# Altium PCB dc_motor_ina219_pcb.PcbDoc
Units mil, origin at the board's own origin, x right, y up, seen from the top; angles counter-clockwise.
Board outline 4330.71 x 2559.06 mil, 2 copper layers (Top Layer, Bottom Layer); 237 components, 137 nets, 748 pads, 0 vias.
Unrouted connection lines stored in the file: 575.
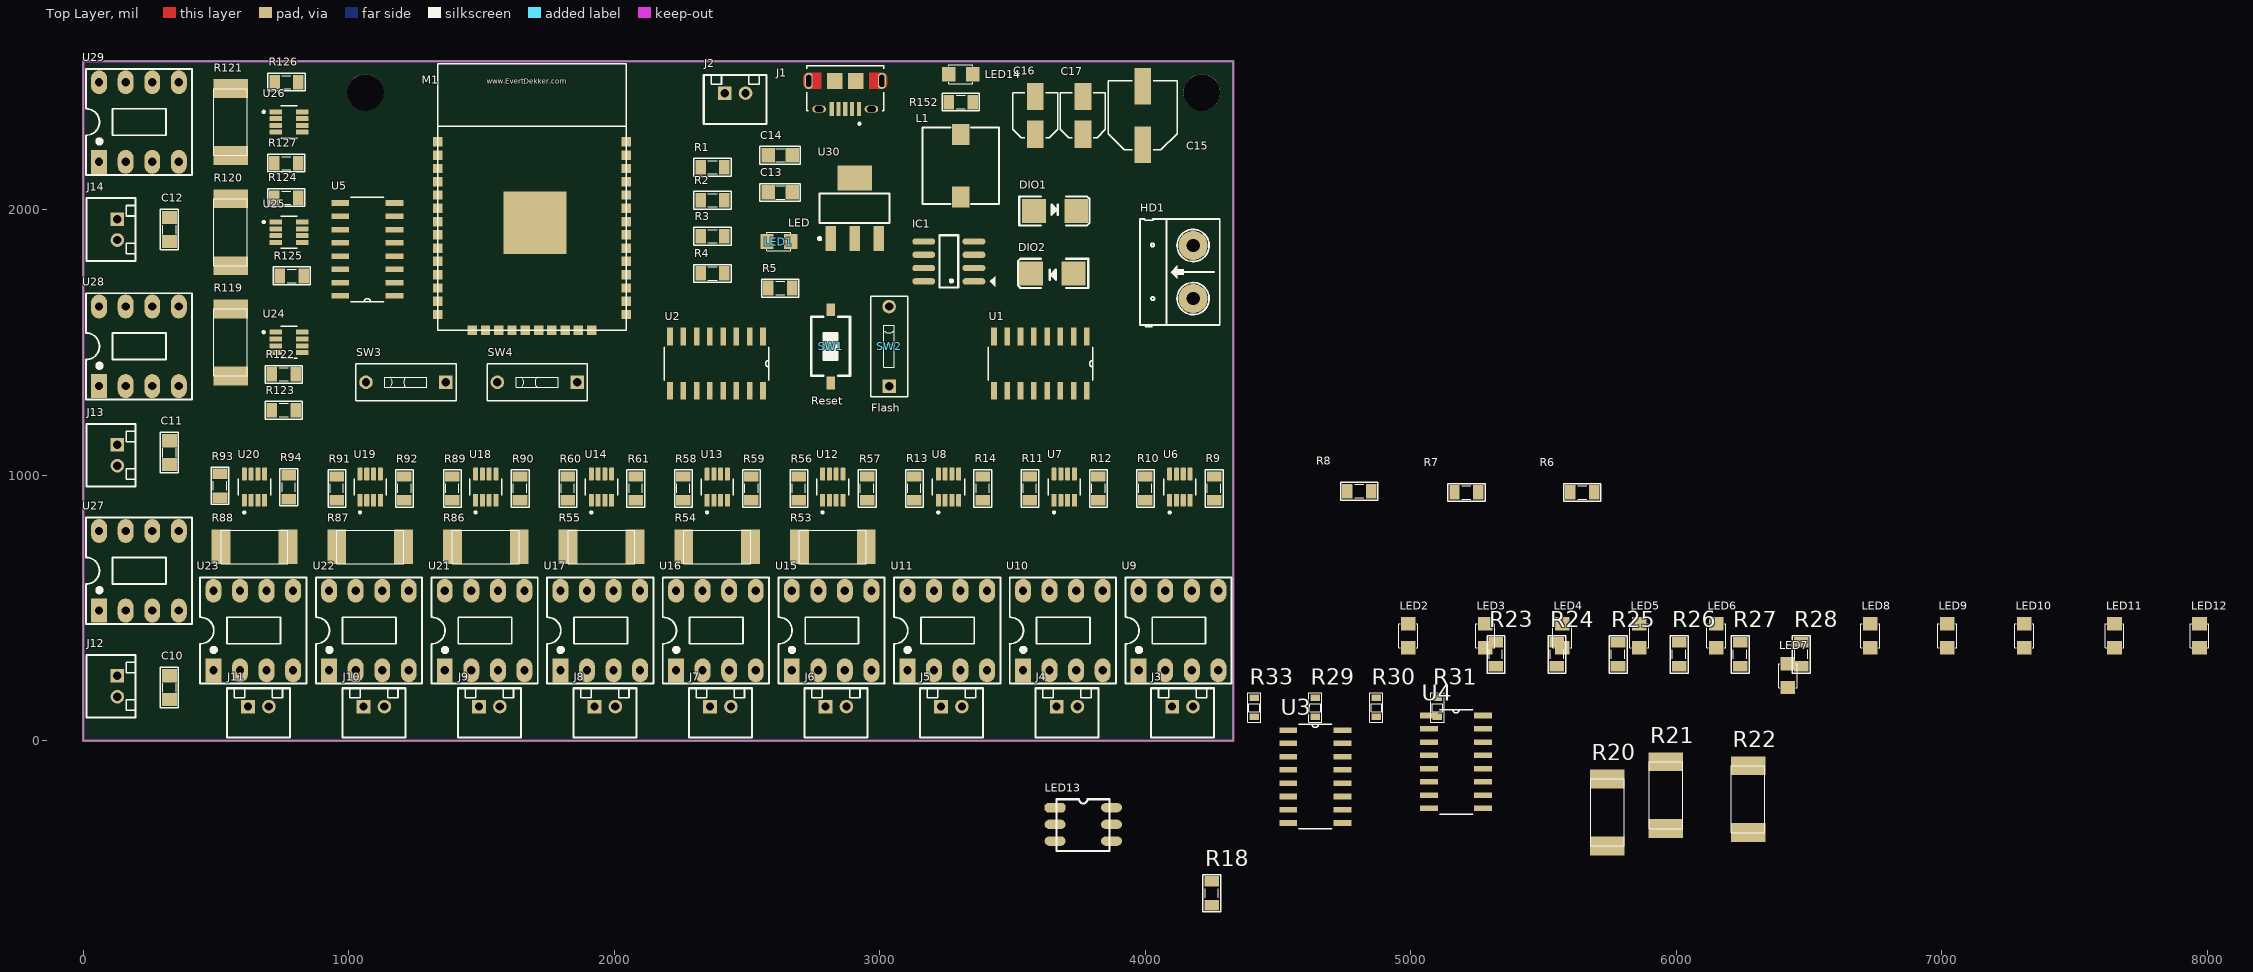
[diagram p0: Top Layer view]
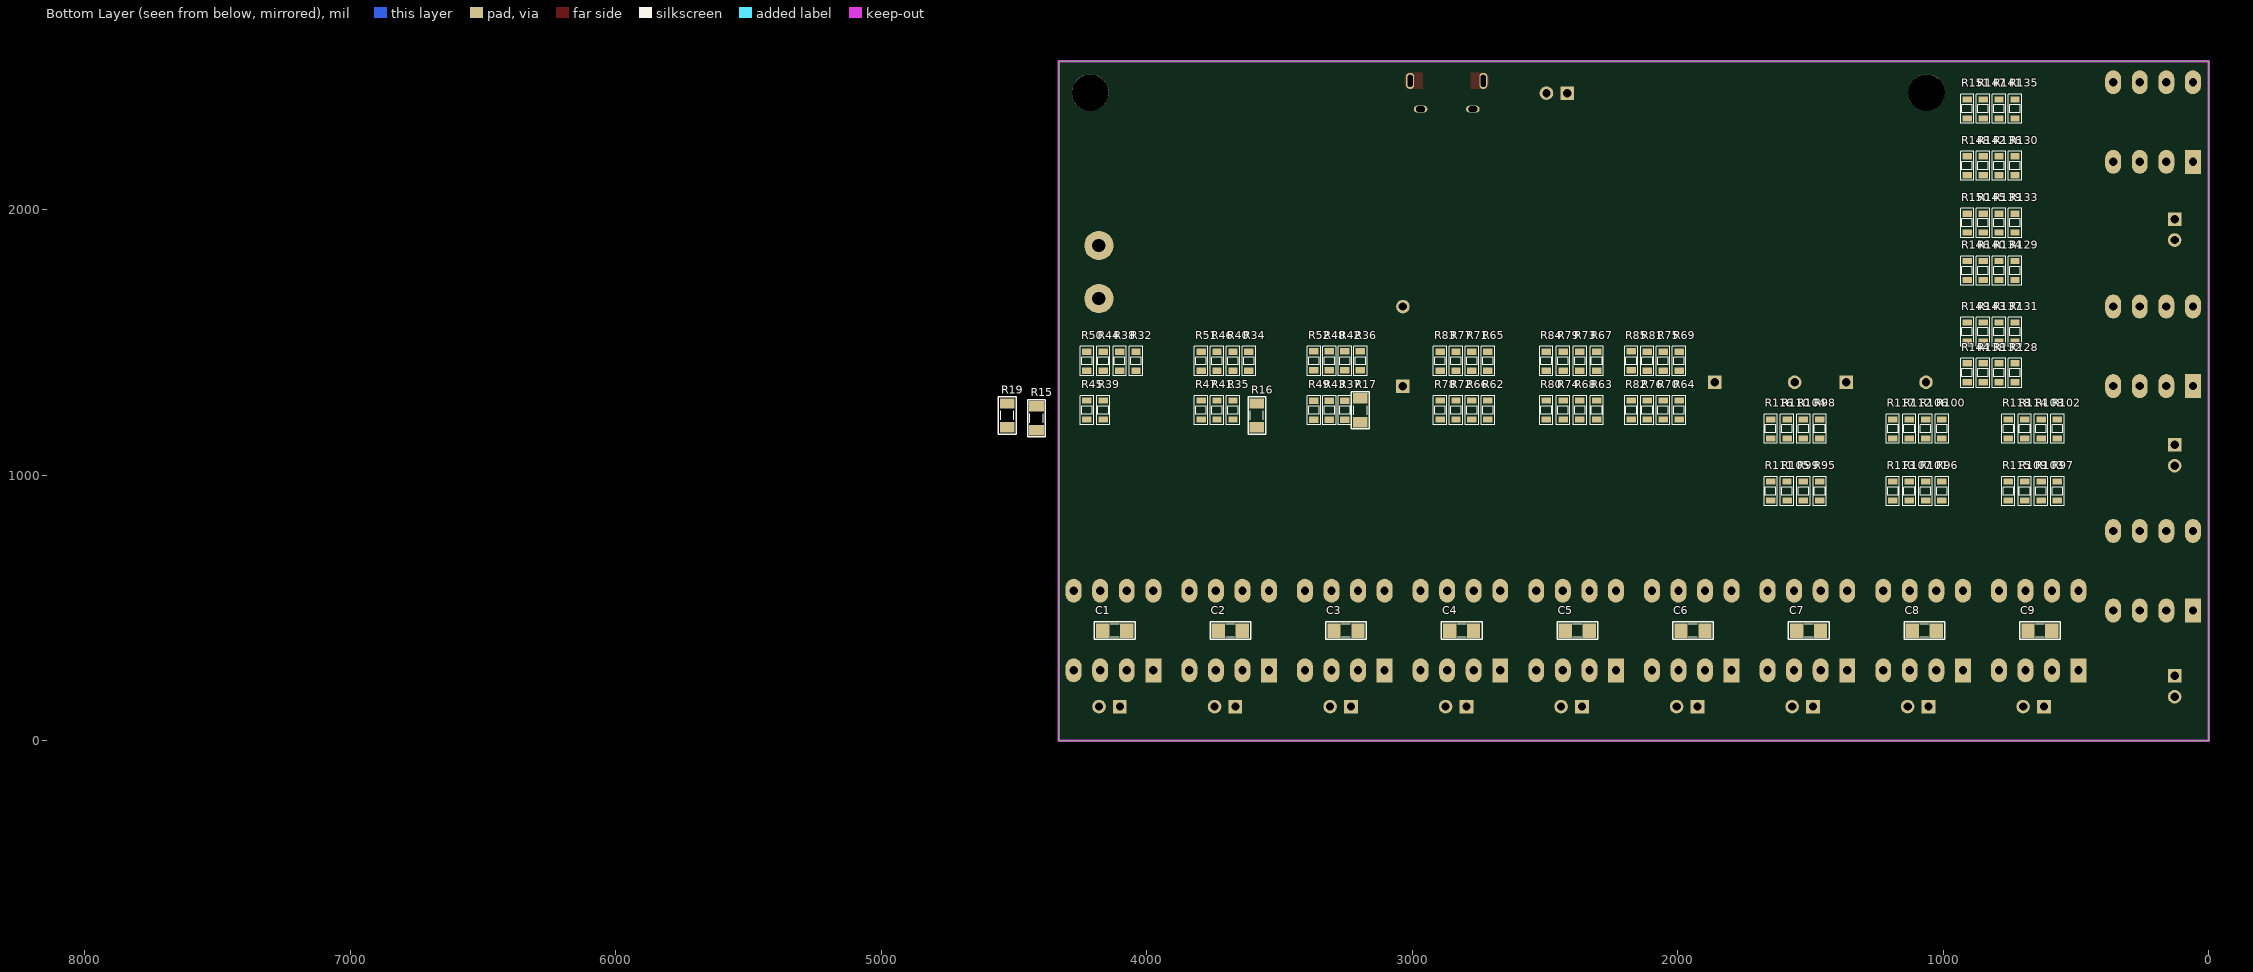
[diagram p1: Bottom Layer view, seen from below]

## Layer stack, top to bottom
Top Solder: solder mask 0.4, Solder Resist, Dk 3.5
Top Layer: signal copper 1.4
Dielectric 1: dielectric 12.6, FR-4, Dk 4.8
Bottom Layer: signal copper 1.4
Bottom Solder: solder mask 0.4, Solder Resist, Dk 3.5

## Board outline
0,0 0,2559.06 4330.71,2559.06 4330.71,0

## Design rules (kind name [scope] priority, off if disabled: settings)
Clearance [All] p1: gap=6
PolygonConnect [All] p1: connectstyle=Relief reliefconductorwidth=10 reliefentries=4 polygonreliefangle="90 Angle" airgapwidth=10
RoomDefinition power [InComponentClass('power')] p1: confinementstyle=ConfineIn formatcopy=TRUE lockcomponents=FALSE outline 4570,1700 7725,1700 7725,2190 4570,2190
RoomDefinition ina219 [InComponentClass('ina219')] p2: confinementstyle=ConfineIn formatcopy=TRUE lockcomponents=FALSE outline 4570,1130 54280,1130 54280,1650 4570,1650
RoomDefinition esp32 [InComponentClass('esp32')] p3: confinementstyle=ConfineIn formatcopy=TRUE lockcomponents=FALSE outline 4570,-65 21910,-65 21910,1080 4570,1080
RoutingVias [All] p1: holewidth=11.81 width=19.68 viastyle="Through Hole" minholewidth=15 minwidth=25 maxholewidth=28 maxwidth=50
SolderMaskExpansion [All] p1: expansion=4
Width [All] p1: maxlimit=100 minlimit=8 preferedwidth=8
30 further rules are at their usual default settings.

## Classes and differential pairs
component class power: C13 C14 C15 C16 C17 DIO1 DIO2 HD1 IC1 L1 LED14 R152 U30
component class ina219: C1 C2 C3 C4 C5 C6 C7 C8 C9 C10 C11 C12 J3 J4 J5 J6 J7 J8 J9 J10 J11 J12 J13 J14 R15 R16 R17 R19 R20 R21 R22 R23 R24 R25 R26 R27 R28 R32 R34 R35 R36 R37 R38 R39 R40 R41 R42 R43 R44 R45 R46 R47 R48 R49 R50 R51 R52 R53 R54 R55 R56 R57 R58 R59 R60 R61 R62 R63 R64 R65 R66 R67 R68 R69 R70 R71 R72 R73 R74 R75 R76 R77 R78 R79 R80 R81 R82 R83 R84 R85 R86 R87 R88 R89 R90 R91 R92 R93 R94 R95 R96 R97 R98 R99 R100 R101 R102 R103 R104 R105 R106 R107 R108 R109 R110 R111 R112 R113 R114 R115 R116 R117 R118 R119 R120 R121 R122 R123 R124 R125 R126 R127 R128 R129 R130 R131 R132 R133 R134 R135 R136 R137 R138 R139 R140 R141 R142 R143 R144 R145 R146 R147 R148 R149 R150 R151 U6 U7 U8 U9 U10 U11 U12 U13 U14 U15 U16 U17 U18 U19 U20 U21 U22 U23 U24 U25 U26 U27 U28 U29
component class esp32: J1 J2 LED1 LED2 LED3 LED4 LED5 LED6 LED7 LED8 LED9 LED10 LED11 LED12 LED13 M1 R1 R2 R3 R4 R5 R6 R7 R8 R9 R10 R11 R12 R13 R14 R15 R16 R17 R18 R19 SW1 SW2 SW3 SW4 U1 U2 U3 U4 U5

## Components (designator, comment, footprint, x,y, rotation, side; value= is the part's Value field where it differs from the comment)
C1 "104" SM-CAP-0805 4075.5,414.5 r0 bottom
C2 "104" SM-CAP-0805 3639.95,414.5 r0 bottom
C3 "104" SM-CAP-0805 3204.39,414.5 r0 bottom
C4 "104" SM-CAP-0805 2768.84,414.5 r0 bottom
C5 "104" SM-CAP-0805 2333.28,414.5 r0 bottom
C6 "104" SM-CAP-0805 1897.73,414.5 r0 bottom
C7 "104" SM-CAP-0805 1462.17,414.5 r0 bottom
C8 "104" SM-CAP-0805 1026.61,414.5 r0 bottom
C9 "104" SM-CAP-0805 591.06,414.5 r0 bottom
C10 "104" SM-CAP-0805 325,245 r270 top
C11 "104" SM-CAP-0805 325,1130 r270 top
C12 "104" SM-CAP-0805 325,1970 r270 top
C13 "104" SM-CAP-0805 2580,2065 r0 top
C14 "104" SM-CAP-0805 2580,2205 r0 top
C15 "470uF" CAP-ALU-SMD-6.3x7.7x2.2 3990,2355 r90 top
C16 "CN-ALU-SMD" CAP-ALU-SMD-4.5x5x1.4 3585,2355 r90 top
C17 "CN-ALU-SMD" CAP-ALU-SMD-4.5x5x1.4 3765,2355 r90 top
DIO1 "Diode SMD" DIO-SMD-106 3660,1995 r180 top
DIO2 "Diode SMD" DIO-SMD-106 3650,1760 r0 top
HD1 "Header 2" HED2 4180,1665 r90 top
IC1 "xl1509" SO-8 3260,1805 r180 top
J1 "10118194-0001LF" AMPHENOL_10118194-0001LF 2870,2485 r180 top
J2 "62000211622" 62000211622 2455,2415 r180 top
J3 "62000211622" 62000211622 4140,105 r180 top
J4 "62000211622" 62000211622 3705,105 r180 top
J5 "62000211622" 62000211622 3270,105 r180 top
J6 "62000211622" 62000211622 2835,105 r180 top
J7 "62000211622" 62000211622 2400,105 r180 top
J8 "62000211622" 62000211622 1965,105 r180 top
J9 "62000211622" 62000211622 1530,105 r180 top
J10 "62000211622" 62000211622 1095,105 r180 top
J11 "62000211622" 62000211622 660,105 r180 top
J12 "62000211622" 62000211622 105,205 r90 top
J13 "62000211622" 62000211622 105,1075 r90 top
J14 "62000211622" 62000211622 105,1925 r90 top
L1 "1.0 μH" L-SMD-M-7.3x4.5 3305,2165 r0 top
LED1 "LED" LED-0805-Blue 2665,1880 r180 top
LED2 "LED" LED-0805-Blue 4990,350 r90 top
LED3 "LED" LED-0805-Blue 5280,350 r90 top
LED4 "LED" LED-0805-Blue 5570,350 r90 top
LED5 "LED" LED-0805-Blue 5860,350 r90 top
LED6 "LED" LED-0805-Blue 6150,350 r90 top
LED7 "LED" LED-0805-Blue 6420,290 r270 top
LED8 "LED" LED-0805-Blue 6730,350 r90 top
LED9 "LED" LED-0805-Blue 7020,350 r90 top
LED10 "LED" LED-0805-Blue 7310,350 r90 top
LED11 "LED" LED-0805-Blue 7650,350 r90 top
LED12 "LED" LED-0805-Blue 7970,350 r90 top
LED13 "150141M173100" "LED RGB 5050" 3770,-315 r0 top
LED14 "LED" LED-0805-Blue 3350,2510 r180 top
M1 "ESP32S_Module" ESP32S 1335,1545 r0 top
R1 "10K" RES-SMD-0805 2370,2160 r0 top
R2 "10K" RES-SMD-0805 2370,2035 r180 top
R3 "10K" RES-SMD-0805 2370,1900 r0 top
R4 "10K" RES-SMD-0805 2370,1760 r0 top
R5 "1K" RES-SMD-0805 2624.5,1705 r0 top
R6 "1K" RES-SMD-0805 5645,935 r0 top
R7 "1K" RES-SMD-0805 5209.37,935 r0 top
R8 "1K" RES-SMD-0805 4805,940 r0 top
R9 "1K" RES-SMD-0805 4258.92,950 r90 top
R10 "1K" RES-SMD-0805 4000.09,950 r90 top
R11 "1K" RES-SMD-0805 3565.07,950 r90 top
R12 "1K" RES-SMD-0805 3823.29,950 r90 top
R13 "1K" RES-SMD-0805 3130.06,950 r90 top
R14 "1K" RES-SMD-0805 3387.67,950 r90 top
R15 "1K" RES-SMD-0805 4415,1215 r90 bottom
R16 "1K" RES-SMD-0805 3585,1225 r90 bottom
R17 "1K" RES-SMD-0805 3195,1244.99 r270 bottom
R18 "1K" RES-SMD-0805 4250,-575 r90 top
R19 "1K" RES-SMD-0805 4525,1225 r90 bottom
R20 "100R" RES-SMD-2512 5745,-270 r90 top
R21 "100R" RES-SMD-2512 5965,-205 r90 top
R22 "100R" RES-SMD-2512 6275,-220 r90 top
R23 "10K" RES-SMD-0805 5320,325 r90 top
R24 "10K" RES-SMD-0805 5550,325 r90 top
R25 "10K" RES-SMD-0805 5780,325 r90 top
R26 "10K" RES-SMD-0805 6010,325 r90 top
R27 "10K" RES-SMD-0805 6240,325 r90 top
R28 "10K" RES-SMD-0805 6470,325 r90 top
R29 "Res" RES-SMD-0603 4640,125 r90 top
R30 "Res" RES-SMD-0603 4870,125 r90 top
R31 "Res" RES-SMD-0603 5100,125 r90 top
R32 "Res" RES-SMD-0603 4040,1430 r270 bottom
R33 "Res" RES-SMD-0603 4410,125 r90 top
R34 "Res" RES-SMD-0603 3615,1430 r270 bottom
R35 "Res" RES-SMD-0603 3675,1245 r90 bottom
R36 "Res" RES-SMD-0603 3195,1430.01 r90 bottom
R37 "Res" RES-SMD-0603 3253.33,1244.99 r270 bottom
R38 "Res" RES-SMD-0603 4101.67,1430 r270 bottom
R39 "Res" RES-SMD-0603 4163.33,1245 r90 bottom
R40 "Res" RES-SMD-0603 3675,1430 r270 bottom
R41 "Res" RES-SMD-0603 3735,1245 r90 bottom
R42 "Res" RES-SMD-0603 3253.33,1430.01 r90 bottom
R43 "Res" RES-SMD-0603 3311.67,1244.99 r270 bottom
R44 "Res" RES-SMD-0603 4163.33,1430 r270 bottom
R45 "Res" RES-SMD-0603 4225,1245 r90 bottom
R46 "Res" RES-SMD-0603 3735,1430 r270 bottom
R47 "Res" RES-SMD-0603 3795,1245 r90 bottom
R48 "Res" RES-SMD-0603 3311.67,1430.01 r90 bottom
R49 "Res" RES-SMD-0603 3370,1244.99 r270 bottom
R50 "Res" RES-SMD-0603 4225,1430 r270 bottom
R51 "Res" RES-SMD-0603 3795,1430 r270 bottom
R52 "Res" RES-SMD-0603 3370,1430.01 r90 bottom
R53 "100R" RES-SMD-2512 2823.12,725 r0 top
R54 "100R" RES-SMD-2512 2387.5,725 r0 top
R55 "100R" RES-SMD-2512 1951.87,725 r0 top
R56 "10K" RES-SMD-0805 2695.05,950 r90 top
R57 "10K" RES-SMD-0805 2952.04,950 r90 top
R58 "10K" RES-SMD-0805 2260.04,950 r90 top
R59 "10K" RES-SMD-0805 2516.42,950 r90 top
R60 "10K" RES-SMD-0805 1825.02,950 r90 top
R61 "10K" RES-SMD-0805 2080.79,950 r90 top
R62 "Res" RES-SMD-0603 2715,1245 r90 bottom
R63 "Res" RES-SMD-0603 2305,1245 r90 bottom
R64 "Res" RES-SMD-0603 1995,1245 r90 bottom
R65 "Res" RES-SMD-0603 2715,1430 r270 bottom
R66 "Res" RES-SMD-0603 2775,1245 r90 bottom
R67 "Res" RES-SMD-0603 2305,1430 r270 bottom
R68 "Res" RES-SMD-0603 2368.33,1245 r90 bottom
R69 "Res" RES-SMD-0603 1995,1430 r270 bottom
R70 "Res" RES-SMD-0603 2055,1245 r90 bottom
R71 "Res" RES-SMD-0603 2775,1430 r270 bottom
R72 "Res" RES-SMD-0603 2835,1245 r90 bottom
R73 "Res" RES-SMD-0603 2368.33,1430 r270 bottom
R74 "Res" RES-SMD-0603 2431.67,1245 r90 bottom
R75 "Res" RES-SMD-0603 2055,1430 r270 bottom
R76 "Res" RES-SMD-0603 2115,1245 r90 bottom
R77 "Res" RES-SMD-0603 2835,1430 r270 bottom
R78 "Res" RES-SMD-0603 2895,1245 r90 bottom
R79 "Res" RES-SMD-0603 2431.67,1430 r270 bottom
R80 "Res" RES-SMD-0603 2495,1245 r90 bottom
R81 "Res" RES-SMD-0603 2115,1430 r270 bottom
R82 "Res" RES-SMD-0603 2175,1245 r90 bottom
R83 "Res" RES-SMD-0603 2895,1430 r270 bottom
R84 "Res" RES-SMD-0603 2495,1430 r270 bottom
R85 "Res" RES-SMD-0603 2175,1430.01 r90 bottom
R86 "100R" RES-SMD-2512 1516.25,725 r0 top
R87 "100R" RES-SMD-2512 1080.62,725 r0 top
R88 "100R" RES-SMD-2512 645,725 r0 top
R89 "10K" RES-SMD-0805 1390.01,950 r90 top
R90 "10K" RES-SMD-0805 1645.17,950 r90 top
R91 "10K" RES-SMD-0805 955,950 r90 top
R92 "10K" RES-SMD-0805 1209.55,950 r90 top
R93 "10K" RES-SMD-0805 515.09,960 r90 top
R94 "10K" RES-SMD-0805 773.92,955 r90 top
R95 "Res" RES-SMD-0603 1465,940 r90 bottom
R96 "Res" RES-SMD-0603 1005,940 r90 bottom
R97 "Res" RES-SMD-0603 570,940 r90 bottom
R98 "Res" RES-SMD-0603 1465,1175 r270 bottom
R99 "Res" RES-SMD-0603 1526.67,940 r90 bottom
R100 "Res" RES-SMD-0603 1005,1175 r270 bottom
R101 "Res" RES-SMD-0603 1066.67,940 r90 bottom
R102 "Res" RES-SMD-0603 570,1175 r270 bottom
R103 "Res" RES-SMD-0603 631.67,940 r90 bottom
R104 "Res" RES-SMD-0603 1526.67,1175 r270 bottom
R105 "Res" RES-SMD-0603 1588.33,940 r90 bottom
R106 "Res" RES-SMD-0603 1066.67,1175 r270 bottom
R107 "Res" RES-SMD-0603 1128.33,940 r90 bottom
R108 "Res" RES-SMD-0603 631.67,1175 r270 bottom
R109 "Res" RES-SMD-0603 693.33,940 r90 bottom
R110 "Res" RES-SMD-0603 1588.33,1175 r270 bottom
R111 "Res" RES-SMD-0603 1650,940 r90 bottom
R112 "Res" RES-SMD-0603 1128.33,1175 r270 bottom
R113 "Res" RES-SMD-0603 1190,940 r90 bottom
R114 "Res" RES-SMD-0603 693.33,1175 r270 bottom
R115 "Res" RES-SMD-0603 755,940 r90 bottom
R116 "Res" RES-SMD-0603 1650,1175 r270 bottom
R117 "Res" RES-SMD-0603 1190,1175 r270 bottom
R118 "Res" RES-SMD-0603 755,1175 r270 bottom
R119 "100R" RES-SMD-2512 550,1500 r270 top
R120 "100R" RES-SMD-2512 550,1915 r270 top
R121 "100R" RES-SMD-2512 550,2330 r270 top
R122 "10K" RES-SMD-0805 755,1380 r0 top
R123 "10K" RES-SMD-0805 755,1245 r0 top
R124 "10K" RES-SMD-0805 765,2045 r180 top
R125 "10K" RES-SMD-0805 785,1750 r180 top
R126 "10K" RES-SMD-0805 765.55,2480 r180 top
R127 "10K" RES-SMD-0805 765,2175 r180 top
R128 "Res" RES-SMD-0603 730,1385 r90 bottom
R129 "Res" RES-SMD-0603 730,1770 r90 bottom
R130 "Res" RES-SMD-0603 730,2165 r90 bottom
R131 "Res" RES-SMD-0603 730,1540 r270 bottom
R132 "Res" RES-SMD-0603 790,1385 r90 bottom
R133 "Res" RES-SMD-0603 730,1950 r270 bottom
R134 "Res" RES-SMD-0603 790,1770 r90 bottom
R135 "Res" RES-SMD-0603 730,2380 r270 bottom
R136 "Res" RES-SMD-0603 790,2165 r90 bottom
R137 "Res" RES-SMD-0603 790,1540 r270 bottom
R138 "Res" RES-SMD-0603 850,1385 r90 bottom
R139 "Res" RES-SMD-0603 790,1950 r270 bottom
R140 "Res" RES-SMD-0603 850,1770 r90 bottom
R141 "Res" RES-SMD-0603 790,2380 r270 bottom
R142 "Res" RES-SMD-0603 850,2165 r90 bottom
R143 "Res" RES-SMD-0603 850,1540 r270 bottom
R144 "Res" RES-SMD-0603 910,1385 r90 bottom
R145 "Res" RES-SMD-0603 850,1950 r270 bottom
R146 "Res" RES-SMD-0603 910,1770 r90 bottom
R147 "Res" RES-SMD-0603 850,2380 r270 bottom
R148 "Res" RES-SMD-0603 910,2165 r90 bottom
R149 "Res" RES-SMD-0603 910,1540 r270 bottom
R150 "Res" RES-SMD-0603 910,1950 r270 bottom
R151 "Res" RES-SMD-0603 910,2380 r270 bottom
R152 "1K" RES-SMD-0805 3305,2405 r180 top
SW1 "Reset" SW1-SMD 2815,1485 r90 top
SW2 "Flash" SW-DIP1-1 3035,1485 r0 top
SW3 "Flash" SW-DIP1-1 1215,1350 r90 top
SW4 "Flash" SW-DIP1-1 1710,1350 r90 top
U1 "74HC595D,118" SOIC127P600X175-16N 3605,1420 r270 top
U2 "74HC595D,118" SOIC127P600X175-16N 2385,1420 r270 top
U3 "74HC595D,118" SOIC127P600X175-16N 4640,-135 r0 top
U4 "74HC595D,118" SOIC127P600X175-16N 5170,-80 r0 top
U5 "74HC595D,118" SOIC127P600X175-16N 1070,1850 r180 top
U6 "INA219BIDCNT" SOT65P280X145-8N 4130,955 r90 top
U7 "INA219BIDCNT" SOT65P280X145-8N 3694.38,955 r90 top
U8 "INA219BIDCNT" SOT65P280X145-8N 3258.75,955 r90 top
U9 "L9110" DIP8 4120,415 r0 top
U10 "L9110" DIP8 3684.44,415 r0 top
U11 "L9110" DIP8 3248.89,415 r0 top
U12 "INA219BIDCNT" SOT65P280X145-8N 2823.13,955 r90 top
U13 "INA219BIDCNT" SOT65P280X145-8N 2387.5,955 r90 top
U14 "INA219BIDCNT" SOT65P280X145-8N 1951.88,955 r90 top
U15 "L9110" DIP8 2813.33,415 r0 top
U16 "L9110" DIP8 2377.78,415 r0 top
U17 "L9110" DIP8 1942.22,415 r0 top
U18 "INA219BIDCNT" SOT65P280X145-8N 1516.25,955 r90 top
U19 "INA219BIDCNT" SOT65P280X145-8N 1080.63,955 r90 top
U20 "INA219BIDCNT" SOT65P280X145-8N 645,955 r90 top
U21 "L9110" DIP8 1506.67,415 r0 top
U22 "L9110" DIP8 1071.11,415 r0 top
U23 "L9110" DIP8 635.56,415 r0 top
U24 "INA219BIDCNT" SOT65P280X145-8N 775,1499.99 r0 top
U25 "INA219BIDCNT" SOT65P280X145-8N 775,1915 r0 top
U26 "INA219BIDCNT" SOT65P280X145-8N 775,2330 r0 top
U27 "L9110" DIP8 205,640 r0 top
U28 "L9110" DIP8 205,1485.4 r0 top
U29 "L9110" DIP8 205,2330 r0 top
U30 "LM1117-3.3V" SOT223 2905,2005 r0 top

## Footprints (in the part's own frame and the unit in brackets; to place one, negate y for a bottom-side part, rotate by r counter-clockwise, add the part's x,y. Pads: shape width x height; smd on the part's side, far side on the other; paste and mask are expansions set on the pad)
62000211622 [mm] "2.00mm Male Vertical Shrouded Header, 2p"
  rect 1.3x1.3 hole 0.8: 1(1,-0.6)
  round 1.3 hole 0.8: 2(-1,-0.6)
  silkscreen extent -3,-2.35 3,2.35, body extent -3,-2.35 3,2.35, height 6.15
AMPHENOL_10118194-0001LF [mm]
  rect 0.4x1.35 smd: 1(-1.3,2.7) 2(-0.65,2.7) 3(0,2.7) 4(0.65,2.7) 5(1.3,2.7)
  oval 1.3x0.65 hole 0.55 slot 0.85 at 0 deg: S1(-2.5,2.7) S2(2.5,2.7)
  oval 0.775x1.55 hole 0.5 slot 1.15 at 90 deg: S3(-3.5,0) S6(3.5,0)
  rect 1.5x1.55 smd: S4(-1,0) S5(1,0)
  Top Layer region: 193 vertices and 0 holes, not listed, extent 2.3,-0.78 4,0.775
  Top Layer region: 193 vertices and 0 holes, not listed, extent -4,-0.775 -2.3,0.78
  silkscreen extent -3.7,-1.45 3.7,4.2
CAP-ALU-SMD-4.5x5x1.4 [mm]
  rect 2.6x1.6 smd: 1(-1.8,0) 2(1.8,0)
  silkscreen extent -2.15,-2.15 2.15,2.15, body extent -2.5,-2.15 2.5,2.15, height 5.45
CAP-ALU-SMD-6.3x7.7x2.2 [mm]
  rect 3.5x1.6 smd: 1(-2.8,0) 2(2.8,0)
  silkscreen extent -3.3,-3.3 3.3,3.3, body extent -3.65,-3.3 3.65,3.3, height 7.65
DIO-SMD-106 [mil]
  rect 90x90.55 smd: 1(80,0) 2(-80,0)
  silkscreen extent -130,-55 135,55, body extent -99,-50 106,52, height 95
DIP8 [mil] "DIP, 8-Leads, Row Spacing 7.62mm, Pitch 2.54mm, Body 9.91x6.73mm"
  rect 60x90 hole 31: 1(-145,-150)
  oval 60x90 hole 31: 2(-45,-150) 3(55,-150) 4(155,-150) 5(155,150) 6(55,150) 7(-45,150) 8(-145,150)
  silkscreen extent -195,-200 205,200, body extent -213,-153 213,153, height 177
ESP32S [mm] "ESP32S-Module"
  rect 0.9x0.9 smd: 1(0,18.034) 2(0,16.764) 3(0,15.494) 4(0,14.224) 5(0,12.954) 6(0,11.684) 7(0,10.414) 8(0,9.144) 9(0,7.874) 10(0,6.604) 11(0,5.334) 12(0,4.064) 13(0,2.794) 14(0,1.524) 15(3.3,0.034) 16(4.57,0.034) 17(5.84,0.034) 18(7.11,0.034) 19(8.38,0.034) 20(9.65,0.034) 21(10.92,0.034) 22(12.19,0.034) 23(13.46,0.034) 24(14.73,0.034) 25(18.034,1.524) 26(18.034,2.794) 27(18.034,4.064) 28(18.034,5.334) 29(18.034,6.604) 30(18.034,7.874) 31(18.034,9.144) 32(18.034,10.414) 33(18.034,11.684) 34(18.034,12.954) 35(18.034,14.224) 36(18.034,15.494) 37(18.034,16.764) 38(18.034,18.034)
  rect 6x6 smd: 101(9.3,10.3)
  silkscreen extent 0,0 18.03,25.53, body extent 0,0 18.03,25.53, height 2
HED2 [mil] "Header 2, 2 pin, hight 300mil, Pin to Pin 200, Colour Green"
  round 110 hole 50: 1(0,0) 2(200,0)
  silkscreen extent -106,-100 300,200, body extent -92,-140 302,155, height 394
L-SMD-M-7.3x4.5 [mm] "WE-PDA SMD Shielded Power Inductor, 7345"
  rect 1.7x2 smd: 1(0,3) 2(0,-3)
  silkscreen extent -3.65,-3.65 3.65,3.65, body extent -3.65,-3.65 3.65,3.65, height 4.05
"LED RGB 5050" [mm]
  oct 2x0.9 smd: 1(-2.794,1.6)
  oval 2x0.9 smd: 2(-2.794,0) 3(-2.794,-1.6) 4(2.606,-1.6) 5(2.606,0) 6(2.606,1.6)
  silkscreen extent -2.67,-2.54 2.41,2.4, body extent -2.78,-2.54 2.52,2.46, height 1.6
LED-0805-Blue [mil]
  rect 50x55 smd: 1(0,0) 2(90,0)
  silkscreen extent 0,-35 90,35, body extent 5,-25 85,25, height 43
RES-SMD-0603 [mm]
  rect 0.6x0.9 smd: 1(-0.889,0) 2(0.927,0)
  silkscreen extent -1.4,-0.64 1.4,0.64, body extent -0.8,-0.4 0.8,0.4, height 0.43
RES-SMD-0805 [mil]
  rect 39.37x55 smd: 1(-45,0) 2(45,0)
  silkscreen extent -70,-34 70,33, body extent -39,-25 39,25, height 31
RES-SMD-2512 [mm] "Chip Capacitor, Body 3.2x2.5mm, IPC Medium Density"
  rect 1.8x3.3 smd: 1(-3.2,0.127) 2(3.2,0.127)
  silkscreen extent -3.2,-1.47 3.2,1.73, body extent -3.2,-1.47 3.2,1.73, height 0.6
SM-CAP-0805 [mil]
  rect 50x55 smd: 1(0,0) 2(90,0)
  silkscreen extent -32,-34 121,33, body extent 6,-25 84,25, height 31
SO-8 [mm] "8-Pin Small Outline Integrated Circuit 1.27 mm Pitch, IPC Medium Density"
  oval 2.2x0.6 smd: 1(-2.4,1.905) 2(-2.4,0.635) 3(-2.4,-0.635) 4(-2.4,-1.905) 5(2.4,-1.905) 6(2.4,-0.635) 7(2.4,0.635) 8(2.4,1.905)
  silkscreen extent -4.44,-2.5 0.9,2.5, body extent -2.93,-2.51 3.08,2.49, height 1.75
SOIC127P600X175-16N [mil]
  rect 67x21 smd: 1(-102,175) 2(-102,125) 3(-102,75) 4(-102,25) 5(-102,-25) 6(-102,-75) 7(-102,-125) 8(-102,-175) 9(102,-175) 10(102,-125) 11(102,-75) 12(102,-25) 13(102,25) 14(102,75) 15(102,125) 16(102,175)
  silkscreen extent -62,-197 62,197
SOT65P280X145-8N [mm]
  rrect25% 1.21x0.48 smd: 1(-1.255,0.975) 2(-1.255,0.325) 3(-1.255,-0.325) 4(-1.255,-0.975) 5(1.255,-0.975) 6(1.255,-0.325) 7(1.255,0.325) 8(1.255,0.975)
  silkscreen extent -2.51,-1.54 0.8,1.54
SOT223 [mm]
  rect 1x2.4 smd: 1(-2.3,-2.9) 2(0,-2.9) 3(2.3,-2.9)
  rect 3.3x2.4 smd: 4(0,2.9)
  silkscreen extent -3.47,-3.02 3.35,1.4, body extent -3.25,-3.56 3.25,3.4, height 1.68
SW1-SMD [mm]
  rect 1.2x0.8 smd: 1(-3.5,0) 2(3.5,0)
  silkscreen extent -2.82,-1.85 2.82,1.85, body extent -3.05,-1.85 3.05,1.85, height 2.5
SW-DIP1-1 [mm] "01p, 2.54mm Pitch, Horizontal, Box Type, THT, flat Actuator, red, without Tape, Tube"
  rect 1.3x1.3 hole 0.8: 1(0,-3.81)
  round 1.3 hole 0.8: 2(0,3.81)
  silkscreen extent -1.77,-4.8 1.77,4.8, body extent -1.77,-4.8 1.77,4.8, height 5.4

## Part data
C1 C2 C3 C4 C5 C6 C7 C8 C9 C10 C11 C12 C13 C14: library part CN
C15: library part CN-ALU-SMD, "Polarized Capacitor (Axial)"
C16 C17: "Polarized Capacitor (Axial)"
DIO1 DIO2: "Default Diode"
HD1: library part Hed2, "Header 2 (Green)"
IC1: library part LS1240A, "Electronic Two-Tone Ringer"
J1: "USB - micro B USB 2.0 Receptacle Connector 5 Position Surface Mount, Right Angle; Through Hole"
J2 J3 J4 J5 J6 J7 J8 J9 J10 J11 J12 J13 J14: "WR-WTB 2.00mm Male Vertical Shrouded Header, 2p"
L1: library part L-SMD-1
LED1 LED2 LED3 LED4 LED5 LED6 LED7 LED8 LED9 LED10 LED11 LED12 LED14: library part "LED SMD"
LED13: library part "LED RGB 5050"
M1: "Esp-32S"
R1 R2 R3 R4 R5 R6 R7 R8 R9 R10 R11 R12 R13 R14 R15 R16 R17 R18 R19 R20 R21 R22 R23 R24 R25 R26 R27 R28 R29 R30 R31 R32 R33 R34 R35 R36 R37 R38 R39 R40 R41 R42 R43 R44 R45 R46 R47 R48 R49 R50 R51 R52 R53 R54 R55 R56 R57 R58 R59 R60 R61 R62 R63 R64 R65 R66 R67 R68 R69 R70 R71 R72 R73 R74 R75 R76 R77 R78 R79 R80 R81 R82 R83 R84 R85 R86 R87 R88 R89 R90 R91 R92 R93 R94 R95 R96 R97 R98 R99 R100 R101 R102 R103 R104 R105 R106 R107 R108 R109 R110 R111 R112 R113 R114 R115 R116 R117 R118 R119 R120 R121 R122 R123 R124 R125 R126 R127 R128 R129 R130 R131 R132 R133 R134 R135 R136 R137 R138 R139 R140 R141 R142 R143 R144 R145 R146 R147 R148 R149 R150 R151 R152: library part Res-SMD, "Resistor"
SW1 SW2 SW3 SW4: library part SW2, "Switch button 2 pin"
U1 U2 U3 U4 U5: "Shift Shift Register 1 Element 8 Bit 16-SO"
U6 U7 U8 U12 U13 U14 U18 U19 U20 U24 U25 U26: "26V, 12-bit, i2c output current/voltage/power monitor 8-SOT-23 -40 to 125"
U9 U10 U11 U15 U16 U17 U21 U22 U23 U27 U28 U29: "Half-Bridge Driver"
U30: library part LM1117, "800mA Low-Dropout Linear Regulator"

## Free pads (board coordinates)
  round 137.8 hole 137.8: 2(1062.99,2440.94) 2(4212.6,2440.94)

## Nets (pads, with @x,y where several pads share a name; then routed paths per layer and width w, separated by ;. In a path a pad name is that pad's centre, name@x,y a point inside that pad or via, vN(x,y) a via of type N, cw(c..) or ccw(c..) an arc to the next point about the centre after c; other vN are vias at no path point)
3V3_1: C14.2 C17.1 LED14.1 M1.2 R1.1 R2.2 R3.1 R4.1 R39.1 R41.1 R43.1 R44.1 R46.1 R48.1 R72.1 R74.1 R76.1 R77.1 R79.1 R81.1 R105.1 R107.1 R109.1 R110.1 R112.1 R114.1 R138.1 R140.1 R142.1 R143.1 R145.1 R147.1 U1.10 U1.16 U2.10 U2.16 U3.10 U3.16 U4.10 U4.16 U5.10 U5.16 U6.4 U7.4 U8.4 U12.4 U13.4 U14.4 U18.4 U19.4 U20.4 U24.4 U25.4 U26.4 U30.2
5V: C13.2 C16.1 IC1.3 J1.1 L1.1 U30.3
12V: C15.1 DIO1.2 HD1.2 IC1.1 R20.1 R21.1 R22.1 R23.1 R24.1 R25.1 R26.1 R27.1 R28.1 R53.1 R54.1 R55.1 R56.1 R57.1 R58.1 R59.1 R60.1 R61.1 R86.1 R87.1 R88.1 R89.1 R90.1 R91.1 R92.1 R93.1 R94.1 R119.1 R120.1 R121.1 R122.1 R123.1 R124.1 R125.1 R126.1 R127.1 U6.1 U7.1 U8.1 U12.1 U13.1 U14.1 U18.1 U19.1 U20.1 U24.1 U25.1 U26.1
A0_1: R32.2 R38.2 R44.2 R50.2 U6.7
A0_2: R34.2 R40.2 R46.2 R51.2 U7.7
A0_3: R36.2 R42.2 R48.2 R52.2 U8.7
A0_4: R65.2 R71.2 R77.2 R83.2 U12.7
A0_5: R67.2 R73.2 R79.2 R84.2 U13.7
A0_6: R69.2 R75.2 R81.2 R85.2 U14.7
A0_7: R98.2 R104.2 R110.2 R116.2 U18.7
A0_8: R100.2 R106.2 R112.2 R117.2 U19.7 U19.8
A0_9: R102.2 R108.2 R114.2 R118.2 U20.7
A0_10: R131.2 R137.2 R143.2 R149.2 U24.7
A0_11: R133.2 R139.2 R145.2 R150.2 U25.7
A0_12: R135.2 R141.2 R147.2 R151.2 U26.7
A1_1: R15.2 R19.2 R39.2 R45.2 U6.8
A1_2: R16.2 R35.2 R41.2 R47.2 U7.8
A1_3: R17.2 R37.2 R43.2 R49.2 U8.8
A1_4: R62.2 R66.2 R72.2 R78.2 U12.8
A1_5: R63.2 R68.2 R74.2 R80.2 U13.8
A1_6: R64.2 R70.2 R76.2 R82.2 U14.8
A1_7: R95.2 R99.2 R105.2 R111.2 U18.8
A1_8: R96.2 R101.2 R107.2 R113.2
A1_9: R97.2 R103.2 R109.2 R115.2 U20.8
A1_10: R128.2 R132.2 R138.2 R144.2 U24.8
A1_11: R129.2 R134.2 R140.2 R146.2 U25.8
A1_12: R130.2 R136.2 R142.2 R148.2 U26.8
DS: M1.31 U3.14
DS_2: M1.27 U1.14
GND: C13.1 C14.1 C15.2 C16.2 C17.2 DIO1.1 DIO2.1 HD1.1 IC1.5 IC1.6 IC1.7 IC1.8 J1.5 J1.S1 J1.S2 J1.S3 J1.S4 J1.S5 J1.S6 J2.2 M1.1 M1.15 M1.38 M1.101 R5.2 R6.2 R7.2 R8.2 R9.2 R10.2 R11.2 R12.2 R13.2 R14.2 R18.2 R45.1 R47.1 R49.1 R50.1 R51.1 R52.1 R78.1 R80.1 R82.1 R83.1 R84.1 R85.1 R111.1 R113.1 R115.1 R116.1 R117.1 R118.1 R144.1 R146.1 R148.1 R149.1 R150.1 R151.1 R152.2 SW1.2 SW2.1 SW3.1 SW4.1 U1.8 U1.13 U2.8 U2.13 U3.8 U3.13 U4.8 U4.13 U5.8 U5.13 U6.3 U7.3 U8.3 U9.5 U9.8 U10.5 U10.8 U11.5 U11.8 U12.3 U13.3 U14.3 U15.5 U15.8 U16.5 U16.8 U17.5 U17.8 U18.3 U19.3 U20.3 U21.5 U21.8 U22.5 U22.8 U23.5 U23.8 U24.3 U25.3 U26.3 U27.5 U27.8 U28.5 U28.8 U29.5 U29.8 U30.1
L1DOWN: R23.2 U3.1 U9.7
L1UP: R24.2 U3.15 U9.6
L2DOWN: R25.2 U3.3 U10.7
L2UP: R26.2 U3.2 U10.6
L3DOWN: R27.2 U3.5 U11.7
L3UP: R28.2 U3.4 U11.6
L4DOWN: R56.2 U3.7 U15.7
L4UP: R57.2 U3.6 U15.6
L5DOWN: R58.2 U4.1 U16.7
L5UP: R59.2 U4.15 U16.6
L6DOWN: R60.2 U4.3 U17.7
L6UP: R61.2 U4.2 U17.6
L7DOWN: R89.2 U4.5 U21.7
L7UP: R90.2 U4.4 U21.6
L8DOWN: R91.2 U4.7 U22.7
L8UP: R92.2 U4.6 U22.6
L9DOWN: R93.2 U5.1 U23.7
L9UP: R94.2 U5.15 U23.6
L10DOWN: R122.2 U5.3 U27.7
L10UP: R123.2 U5.2 U27.6
L11DOWN: R124.2 U5.5 U28.7
L11UP: R125.2 U5.4 U28.6
L12DOWN: R126.2 U5.7 U29.7
L12UP: R127.2 U5.6 U29.6
LED_BLUE: LED13.1 U1.3
LED_GREEN: LED13.2 U1.2
LED_RED: LED13.3 U1.1
M1: LED1.1
M2: LED2.1 U1.5
M3: LED3.1 U1.6
M4: LED4.1 U1.7
M5: LED5.1 U2.15
M6: LED6.1 U2.1
M7: LED7.1 U2.2
M8: LED8.1 U2.3
M9: LED9.1 U2.4
M10: LED10.1 U1.4 U2.5
M11: LED11.1 U2.6
M12: LED12.1 U2.7
MODE_RUN: J2.1 M1.10 R4.2 SW4.2
MODE_SETUP: M1.37 R3.2 SW3.2
NetC1_1: C1.1 J3.1 U9.1
NetC1_2: C1.2 J3.2 U9.4
NetC2_1: C2.1 J4.1 U10.1
NetC2_2: C2.2 J4.2 U10.4
NetC3_1: C3.1 J5.1 U11.1
NetC3_2: C3.2 J5.2 U11.4
NetC4_1: C4.1 J6.1 U15.1
NetC4_2: C4.2 J6.2 U15.4
NetC5_1: C5.1 J7.1 U16.1
NetC5_2: C5.2 J7.2 U16.4
NetC6_1: C6.1 J8.1 U17.1
NetC6_2: C6.2 J8.2 U17.4
NetC7_1: C7.1 J9.1 U21.1
NetC7_2: C7.2 J9.2 U21.4
NetC8_1: C8.1 J10.1 U22.1
NetC8_2: C8.2 J10.2 U22.4
NetC9_1: C9.1 J11.1 U23.1
NetC9_2: C9.2 J11.2 U23.4
NetC10_1: C10.1 J12.1 U27.1
NetC10_2: C10.2 J12.2 U27.4
NetC11_1: C11.1 J13.1 U28.1
NetC11_2: C11.2 J13.2 U28.4
NetC12_1: C12.1 J14.1 U29.1
NetC12_2: C12.2 J14.2 U29.4
NetDIO2_2: DIO2.2 IC1.2 L1.2
NetLED1_2: LED1.2 R5.1
NetLED2_2: LED2.2 R6.1
NetLED3_2: LED3.2 R7.1
NetLED4_2: LED4.2 R8.1
NetLED5_2: LED5.2 R9.1
NetLED6_2: LED6.2 R10.1
NetLED7_2: LED7.2 R11.1
NetLED8_2: LED8.2 R12.1
NetLED9_2: LED9.2 R13.1
NetLED10_2: LED10.2 R14.1
NetLED11_2: LED11.2
NetLED12_2: LED12.2
NetLED13_4: LED13.4
NetLED13_5: LED13.5 R18.1
NetLED13_6: LED13.6
NetLED14_2: LED14.2 R152.1
NetM1_3: M1.3 R2.1 SW1.1
NetM1_25: M1.25 R1.2 SW2.2
NetR20_2: R20.2 U6.2 U9.2 U9.3
NetR21_2: R21.2 U7.2 U10.2 U10.3
NetR22_2: R22.2 U8.2 U11.2 U11.3
NetR53_2: R53.2 U12.2 U15.2 U15.3
NetR54_2: R54.2 U13.2 U16.2 U16.3
NetR55_2: R55.2 U14.2 U17.2 U17.3
NetR86_2: R86.2 U18.2 U21.2 U21.3
NetR87_2: R87.2 U19.2 U22.2 U22.3
NetR88_2: R88.2 U20.2 U23.2 U23.3
NetR119_2: R119.2 U24.2 U27.2 U27.3
NetR120_2: R120.2 U25.2 U28.2 U28.3
NetR121_2: R121.2 U26.2 U29.2 U29.3
NetU1_9: U1.9 U2.14
NetU3_9: U3.9 U4.14
NetU4_9: U4.9 U5.14
RX_1: J1.2 M1.35
SCL_1: M1.36 R15.1 R16.1 R17.1 R32.1 R34.1 R36.1 R62.1 R63.1 R64.1 R65.1 R67.1 R69.1 R95.1 R96.1 R97.1 R98.1 R100.1 R102.1 R128.1 R129.1 R130.1 R131.1 R133.1 R135.1 U6.5 U7.5 U8.5 U12.5 U13.5 U14.5 U18.5 U19.5 U20.5 U24.5 U25.5 U26.5
SDA_1: M1.33 R19.1 R35.1 R37.1 R38.1 R40.1 R42.1 R66.1 R68.1 R70.1 R71.1 R73.1 R75.1 R99.1 R101.1 R103.1 R104.1 R106.1 R108.1 R132.1 R134.1 R136.1 R137.1 R139.1 R141.1 U6.6 U7.6 U8.6 U12.6 U13.6 U14.6 U18.6 U19.6 U20.6 U24.6 U25.6 U26.6
SH_CP: M1.30 U3.11 U4.11 U5.11
SH_CP_2: M1.23 U1.11 U2.11
ST_CP: M1.28 U3.12 U4.12 U5.12
ST_CP_2: M1.13 U1.12 U2.12
TX_1: J1.3 M1.34
pads on no net: IC1.4 J1.4 M1.4 M1.5 M1.6 M1.7 M1.8 M1.9 M1.11 M1.12 M1.14 M1.16 M1.17 M1.18 M1.19 M1.20 M1.21 M1.22 M1.24 M1.26 M1.29 M1.32 R29.1 R29.2 R30.1 R30.2 R31.1 R31.2 R33.1 R33.2 U1.15 U2.9 U5.9 U30.4

## Keep-outs
Keep-Out Layer:
  the board outline again, w10

## Text inside footprints (layer, text, board x,y; h text height)
J1: Mechanical 13 "PCB END" at 2946.77,2567.68 h19.68 r180
M1: Top Overlay "www.EvertDekker.com" at 1520,2475 h19.68